# KiCad board AmigaPCI Mainboard.kicad_pcb (continued)
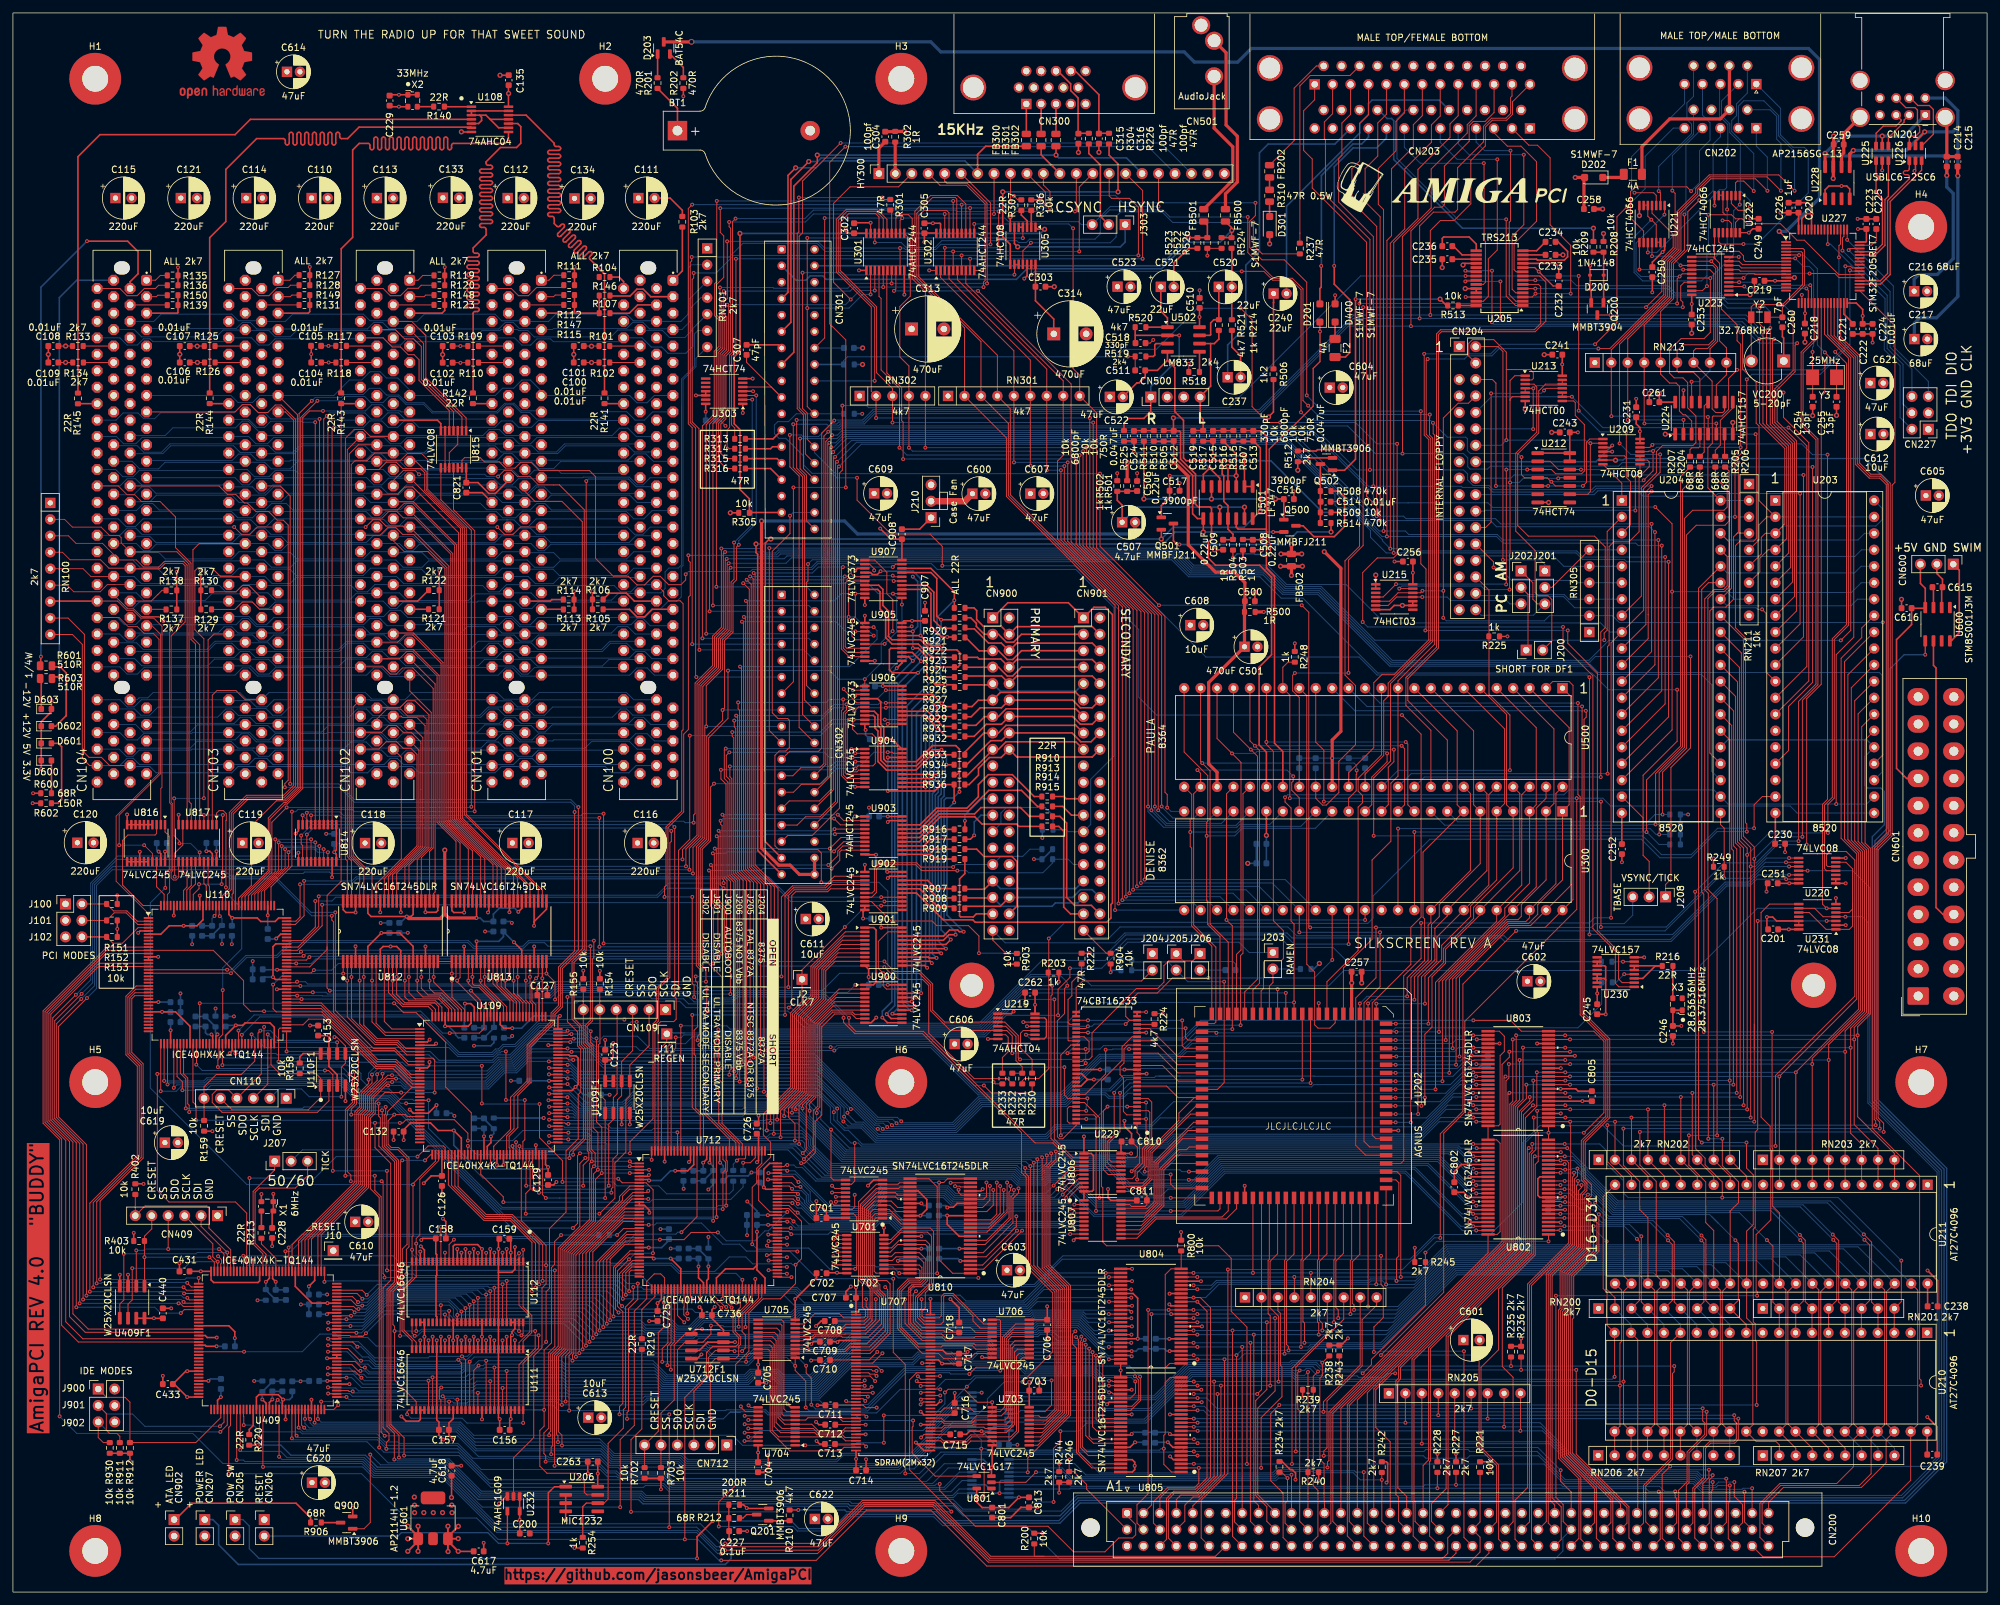
[diagram p0: board, top side]
## Routing (per net, layer and track width the routed paths; a pad name or vN(x,y) marks a point on that pad's centre or on a via; arc(x,y) is an arc through that point) (continued)
_MC1: length 224.8
  Top w0.15: R231.1 155.83,78.93 156.19,79.29 158.39,79.29 159.93,80.83 v1(159.93,100.92) ; v1(269.07,178.8) 269.18,178.69 269.18,162.69 268.77,162.28 266.66,162.28 265.95,161.57 265.95,148.91 267.5,147.36 267.5,118.81 267.7,118.6 v1(267.7,117.42)
  Top w0.25: U224.1 v2(255.12,178.8)
  Bottom w0.15: v2(255.12,178.8) v1(269.07,178.8) ; v1(159.93,100.92) 162.43,103.42 184.33,103.42 184.5,103.25 209.19,103.25 210.01,104.08 210.01,107.49 218.76,116.24 251.42,116.24 254.28,113.39 259.07,113.39 263.11,117.42 v1(267.7,117.42)
_MTR: length 91.3
  Top w0.15: v1(242.1,173.32) 242.09,173.33 U212.12 238.62,173.33 237.35,174.6 U212.2 ; v1(277.86,173.74) 277.86,140.46 274.14,136.74 274.14,129.94 U203.17
  Bottom w0.15: v1(242.1,173.32) 248,173.32 248.41,173.74 v1(277.86,173.74)
_PACK: length 314.2
  Top w0.15: 268.05,163.52 266.25,163.52 266.11,163.38 ; v1(214.55,175.8) 214.53,188.52 214.53,209.29 218.97,213.73 218.97,219.74 224.54,225.3 224.54,226.59 225.91,227.96 CN203.10 ; v1(119.95,178.68) 119.95,173.75 121.39,172.32 121.39,133.51 CN302.20 ; U204.24 262,129.57 262,151.51 262.58,152.09 264.45,152.09 265.65,153.29 265.65,162.92 266.11,163.38 ; 266.11,163.38 266.4,163.67 v1(266.4,174.41)
  Bottom w0.15: v1(119.95,178.68) 121.71,178.68 121.97,178.42 124.39,178.42 125.74,179.77 127.56,179.77 127.86,180.07 206.08,180.07 210.35,175.8 v1(214.55,175.8) 223.96,175.8 224.62,175.14 224.62,173.77 224.98,173.41 227.67,173.41 228.11,173.85 232.78,173.85 232.79,173.86 247.91,173.86 248.46,174.41 v1(266.4,174.41)
_PCICYCLE: length 129.5
  Top w0.15: v1(62.05,39.56) 61.62,39.98 U112.29 ; v1(78.78,26.12) 78.77,26.13 U111.56 78.77,35.33 81.15,37.71 v1(81.15,39.64) ; v1(60.86,27.45) 60.86,27.86 61.1,28.1 U111.29 ; U112.56 78.77,39.91 v1(78.5,39.64) ; U110.78 47.77,89.09 56.02,80.84 58.68,80.84 61.58,77.94 U109.19 61.59,77.94 57.84,74.19 57.84,73.74 57.62,73.52 57.62,69.01 58.3,68.33 59.42,68.33 60.85,66.91 60.85,53.69 60.12,52.96 60.12,47.4 59.78,47.05 59.78,39.56 v1(59.77,39.56)
  Bottom w0.15: v1(81.15,39.64) v1(78.5,39.64) 77.9,39.64 77.26,40.28 63.18,40.28 62.46,39.56 v1(62.05,39.56) 62.04,39.56 v1(59.77,39.56) ; v1(78.78,26.12) 78.75,26.09 70.1,26.09 69.36,26.84 61.47,26.84 v1(60.86,27.45)
_PCIINT: length 100.4
  Top w0.15: U815.8 66.07,168.67 70.77,163.97 v1(70.77,121.26) ; U110.117 36.34,107.52 39.97,111.16 39.97,118.87 v1(42.26,121.16)
  Bottom w0.15: v1(70.77,121.26) 70.66,121.16 v1(42.26,121.16)
_PLOCK: length 189.9
  Top w0.13: 15.54,154 17.73,151.82 18.64,151.82 19.84,150.62 22.55,150.62 v1(23.22,149.95) ; v1(25.92,149.95) 24.19,148.23 24.19,121.87 24.43,121.64 24.43,111.48 24.19,111.24 24.19,108.06 23.84,107.71 U110.142
  Bottom w0.13: 56.11,154.22 53,154.22 51.96,153.18 40.48,153.18 39.37,154.29 CN103.B39 ; 103.22,164.09 103.22,158.61 102.73,158.12 101.27,158.12 100.69,157.54 100.69,154.95 100.03,154.29 CN100.B39 ; v1(25.92,149.95) 25.91,149.95 v1(23.22,149.95) ; 76.5,154.28 80,154.28 81.12,153.17 92.43,153.17 93.47,154.21 96.74,154.21 ; 35.71,154.14 30.7,154.14 29.68,153.12 20.22,153.12 19.05,154.29 CN104.B39 ; 56.18,154.28 59.68,154.28 60.86,153.11 70.31,153.11 71.33,154.13 76.34,154.13 ; 103.22,183.2 103.22,187.31 105.22,189.31 105.22,194.27 105.74,194.79 RN101.6
  Bottom w0.15: 103.22,164.09 103.22,183.2
_RAMEN: length 120.1
  Top w0.15: v1(163.2,96.33) 163.2,94.9 161.37,93.07 v1(161.37,89.06) ; v1(101.53,84.68) 101.12,84.27 U712.139
  Bottom w0.15: J203.1 190.89,98.75 189.3,100.34 172.12,100.34 168.11,96.33 v1(163.2,96.33) ; v1(161.37,89.06) 153.38,89.06 150.05,85.73 104.88,85.73 103.82,84.68 v1(101.53,84.68)
_RAMSPACE: length 80.1
  Top w0.15: v1(103.22,55.56) 105.62,57.96 U712.130 ; 42.59,53.38 U409.48
  Bottom w0.15: v1(42.56,53.2) 44.6,55.24 75.9,55.24 76.24,54.9 80.66,54.9 81.61,53.95 94.79,53.95 96.11,55.27 102.35,55.27 102.64,55.56 v1(103.22,55.56)
_RAS0: length 21.4
  Top w0.15: U202.57 188.91,59.18 187.34,57.61 176.51,57.61 173.54,54.63 U807.11
_RAS1: length 20
  Top w0.15: U202.56 187.64,58.87 186.68,57.91 176.39,57.91 173.76,55.28 171.08,55.28
_REGEN: length 122.5
  Top w0.15: U202.23 v1(196.53,92.52) ; J11.1 100.95,84.95 100.12,84.12 U712.141
  Bottom w0.15: 103.64,86.33 149.8,86.33 155.98,92.51 196.52,92.51 v1(196.53,92.52) ; 103.64,86.33 100.76,86.33 ; 103.64,86.33 101.09,86.33
_REGSPACE: length 110.4
  Top w0.15: U712.41 100.62,48.52 100.01,49.13 99.02,49.13 97.86,47.97 97.86,45.3 95.94,43.38 95.94,25.73 94.94,24.74 94.94,24.73 93.76,23.54 93.76,13.11 v1(93.76,13.11) ; U409.118 v1(35.09,21.95)
  Bottom w0.15: v1(35.09,21.95) 35.31,21.73 41.34,21.73 42.31,20.75 54.26,20.75 56.11,18.9 66.67,18.9 72.46,13.12 93.75,13.12 v1(93.76,13.11)
_REQ0: length 108.9
  Top w0.15: v1(49.61,179.86) 49.28,179.52 U814.2
  Bottom w0.13: v1(49.61,179.86) 54.1,179.86 55.08,180.84 56.96,180.84 57.94,179.86 59.41,179.86 60.35,180.8 61.72,180.8 62.66,179.86 74.42,179.86 75.4,180.84 77.09,180.84 78.07,179.86 80.07,179.86 81.11,180.9 94.22,180.9
_REQ1: length 90
  Top w0.15: v1(48.47,181.62) 47.97,181.12 U814.4
  Bottom w0.13: v1(48.47,181.62) 48.92,182.07 54.36,182.07 55.3,181.13 56.93,181.13 57.88,182.08 59.57,182.08 60.52,181.13 73.8,181.13
_REQ2: length 67.2
  Top w0.15: U814.3 48.62,180.55 v1(49.04,180.96)
  Bottom w0.13: CN102.B18 v1(49.04,180.96)
_REQ3: length 76.3
  Top w0.15: U814.6 46.68,180.63 v1(46.67,180.64)
  Bottom w0.13: v1(46.67,180.64) 44.68,180.64 44.52,180.8 39.8,180.8 38.86,179.86 37.61,179.86 36.39,181.08 33.44,181.08
_REQ4: length 99.6
  Top w0.15: U814.5 47.32,181.13 v1(47.34,181.15)
  Bottom w0.13: v1(47.34,181.15) 39.78,181.15 38.86,182.07 37.92,182.07 36.65,183.34 35.41,183.34 34.17,182.1 22.79,182.1 21.87,181.18 20.19,181.18 19.3,182.07 17.01,182.07 15.91,180.96 CN104.B18
_RESETA: length 422.7
  Top w0.15: CN200.b28 239.35,10.89 239.35,13.5 238.23,14.62 v1(238.23,45.76) ; v1(108.98,10.13) 108.98,13.92 111.57,16.51 111.57,35.14 113.63,37.2 113.63,43.08 115.83,45.28 118.49,45.28 120.83,47.62 v1(120.83,50.54) 121.75,51.46 121.75,57.25 119.78,59.22 118.06,59.22 ; v1(269.3,45.76) 269.3,46.35 269.14,46.51 269.14,55.2 271.4,57.46 271.4,68.34 271.31,68.44 271.31,71.94 269.91,73.34 269.91,104.93 271.21,106.23 U231.8 ; U409.62 35.59,51.89 v1(35.56,51.92)
  Bottom w0.15: v1(120.83,50.54) 120.38,50.54 120.16,50.76 117.81,50.76 117.73,50.68 114.22,50.68 113.14,51.75 110.6,51.75 108.36,49.51 102.95,49.51 101.69,50.77 92.31,50.77 92.09,50.99 79.3,50.99 79.2,50.89 59.73,50.89 58.7,51.92 v1(35.56,51.92) ; CN200.b28 239.31,8.37 239.31,6.33 238.09,5.11 238.09,5.1 161.59,5.1 156.44,10.25 143.55,10.25 142.17,11.63 128.84,11.63 126.64,9.43 121.12,9.43 120.42,10.13 v1(108.98,10.13) ; v1(238.23,45.76) v1(269.3,45.76)
_RESETB: length 429
  Top w0.15: U231.6 v1(280.04,105.58) 279.4,106.22 279.4,121.63 280.17,122.4 v1(280.17,175.63) ; U902.5 126.24,108.59 125.79,108.14 120.85,108.14 120.25,107.54 120.25,90.7 v1(119.79,90.24) ; v1(253.13,177.14) 252.74,176.75 U209.12 ; U110.49 v1(28.84,90.92) ; v1(58.85,90.92) 60.31,89.46 62.26,89.46 66.81,84.91 66.81,77.98 70.76,74.02 70.76,67.56
  Bottom w0.15: v1(253.13,177.14) 253.29,177.29 276.18,177.29 277.84,175.63 v1(280.17,175.63) ; v1(280.04,105.58) 269.34,105.58 259.74,95.98 205.51,95.98 203.15,93.62 166.51,93.62 164.77,95.37 157.14,95.37 149.31,87.53 122.84,87.53 120.13,90.24 v1(119.79,90.24) 103.93,90.24 102.95,91.23 87.31,91.23 87.05,90.97 77.52,90.97 77.05,91.44 66.65,91.44 66.13,90.92 v1(58.85,90.92) v1(28.84,90.92)
_ROMEN: length 263.9
  Top w0.15: v1(247.29,33.24) U210.20 246.13,41.19 246.13,46.27 245.54,46.86 245.54,61.06 U211.20 ; v1(38.05,23.86) 38.05,26.6 38.09,26.64 U409.124 ; v1(160.67,13.91) 160.67,13.91 160.67,22.19 161.72,23.24 v1(161.72,24.84)
  Bottom w0.15: v1(160.67,13.91) 157.56,13.91 156.46,12.81 146.64,12.81 145.14,14.3 97.53,14.3 96.87,14.96 72.09,14.96 67.1,19.95 57.92,19.95 54.66,23.21 38.7,23.21 v1(38.05,23.86) ; v1(161.72,24.84) 164.53,24.84 165.79,26.1 174.93,26.1 182.14,33.31 197.45,33.31 197.91,32.85 246.9,32.85 v1(247.29,33.24)
_RSTBTN: length 200.8
  Top w0.15: U110.65 v1(36.84,86.11) ; U232.2 77.29,20.73 80.41,23.84 80.41,36.44 81.68,37.72 81.68,46.95 82.31,47.58 v1(82.31,50.46) 82.31,53.53 78.49,57.35 78.49,65.47 78.73,65.72 U109.65 78.73,69.55 79.03,69.85 v1(79.03,75.97) ; v1(76.12,75.99) 76.12,83.47 v1(76.11,83.48) ; v1(112.62,48.22) 112.62,48.22 U712.65 ; U409.65 34.09,50.71 34.19,50.81 v1(34.19,51.22)
  Bottom w0.15: v1(76.12,75.99) 76.13,75.97 v1(79.03,75.97) ; v1(34.19,51.22) 35.43,51.22 36.17,50.48 73.12,50.48 73.13,50.46 v1(82.31,50.46) 101.57,50.46 102.83,49.21 111.63,49.21 v1(112.62,48.22) ; v1(36.84,86.11) 38.86,84.09 67.28,84.09 68.66,82.71 74.2,82.71 74.74,83.25 75.21,83.25 75.43,83.48 v1(76.11,83.48)
_RSTOUT: length 153.7
  Top w0.15: CN200.c34 254.64,8.3 254.64,18.17 v1(255.87,19.4) ; U231.9 278.19,105.58 279.49,104.28 U231.4 v1(282.93,104.28)
  Bottom w0.15: v1(282.93,104.28) 285.54,104.28 286.4,103.41 286.4,75.52 297.09,64.83 297.09,20.85 295.65,19.4 v1(255.87,19.4)
_RSTPCI: length 178.7
  Top w0.13: 34.01,110.24 34.01,107.92
  Top w0.15: 34.01,110.71 34.01,110.24 ; 34.01,110.71 34.01,107.92 33.84,107.75 U110.122 ; 34.01,110.71 34.01,120.15 36.29,122.43 42.03,122.43 43.93,124.32 43.93,181.79 CN103.A15
  Bottom w0.13: CN104.A15 33.66,184.77 34.76,183.67 36.97,183.67 38.07,184.77 CN103.A15 ; 61.26,184.76 74.46,184.76 75.59,185.89 ; CN102.A15 61.26,185.61 59.41,187.47 57.66,187.47 56.7,188.43 55.12,188.43 53.85,187.16 51.94,187.16 49.56,184.77 40.93,184.77
  Bottom w0.15: 81.57,184.76 95.23,184.76 96.35,183.65 97.9,183.65 99.02,184.76 101.89,184.76 ; 75.59,185.89 77.31,185.89 78.58,187.16 79.88,187.16 81.58,185.46
_RTCEN: length 465.2
  Top w0.15: v1(103.38,113.14) 103.38,114.63 105.62,116.88 105.62,140.23 108.32,142.93 108.32,147.5 109.68,148.86 109.68,160.34 v1(109.95,160.61) ; U409.80 26.3,44.11 25.83,44.58 v1(25.57,44.58) ; v1(282.22,146.96) 283.75,148.49 283.75,190.61 280.2,194.16 U227.26 ; v1(10.3,44.58) 10.31,44.58 10.31,69.28 6.45,73.13 6.45,88.22 v1(10.6,92.37)
  Bottom w0.15: v1(103.38,113.14) 16.09,113.14 12.3,109.35 12.3,94.07 v1(10.6,92.37) ; v1(282.22,146.96) 246.41,146.96 243.32,143.87 212.97,143.87 201.86,154.98 196.41,154.98 193.42,157.97 182.03,157.97 179.4,160.6 118.31,160.6 117.86,160.16 115.92,160.16 115.47,160.61 109.95,160.61 v1(109.95,160.61) ; v1(10.3,44.58) v1(25.57,44.58)
_RxD: length 101.7
  Top w0.15: U205.8 235.73,203.22 236.67,202.28 236.67,196.26 235.03,194.62 220.56,194.62 220.1,194.16 220.1,145.78 215.37,141.05 215.37,141.05 215.37,137.66 221.47,131.55 U500.41
_SEL0: length 98.3
  Top w0.15: v1(240.7,184.57) U213.9 U213.10 ; v1(274.14,179.81) 276.98,176.97 276.98,142.93 U203.13
  Bottom w0.15: CN204.10 228.26,184.57 v1(240.7,184.57) 245.47,179.81 274.14,179.81 v1(274.14,179.81)
_SEL1: length 109.8
  Top w0.15: U203.14 277.27,140.69 277.27,177.49 273.37,181.39 v1(273.37,185.22) ; v1(234.73,179.57) 234.73,185.85 v1(234.75,185.88) U213.4 U213.5
  Bottom w0.15: v1(273.37,185.22) 272.3,186.3 235.18,186.3 v1(234.75,185.88) ; v1(234.73,179.57) 234.68,179.62 CN204.12
_SIDE: length 56.7
  Top w0.15: U203.12 270.68,142.07 270.68,151.13 v1(270.07,151.74)
  Bottom w0.15: v1(270.07,151.74) 269.39,151.74 269.14,151.99 241.13,151.99 239.41,153.71 233.85,153.71 233.69,153.88 226.19,153.88
_STEP: length 76.4
  Top w0.15: U203.10 275.93,149.5 v1(275.93,169.63)
  Bottom w0.15: v1(275.93,169.63) 275.92,169.63 263.28,169.63 262.86,169.21 251.71,169.21 250.88,170.05 244.71,170.05 244.12,169.46 CN204.20
_STOP: length 294.2
  Top w0.11: CN104.A38 15.71,155.56
  Top w0.13: RN100.6 8.37,155.48 9.39,154.46 13.46,154.46 14.57,155.56 15.71,155.56
  Top w0.15: v1(156.69,18.49) 156.69,20.71 163.28,27.3 163.28,47.33 160.11,50.51 160.11,65.49 161.55,66.93 161.55,68.35 160.54,69.35 157.82,69.35 140.59,86.58 130.14,86.58 129.08,87.64 v1(129.08,88.66) ; v1(105.17,91.88) 105.17,93.7 104.88,93.99 104.88,107.33 v1(104.89,107.34) ; v1(100.6,107.34) 100.6,108.88 100.83,109.1 100.83,118.15 103.26,120.58 103.26,132.94 103.47,133.15 103.47,152.61 103.01,153.07 101.26,153.07 100.48,153.85 100.48,154.45 CN100.A38
  Bottom w0.13: 99.35,155.55 96.5,155.55 95.39,154.44 93.81,154.44 92.84,155.41 79.17,155.41 ; 58.71,155.56 55.87,155.56 54.75,154.45 53.17,154.45 52.2,155.42 38.54,155.42 ; 58.86,155.41 72.53,155.41 73.5,154.44 75.08,154.44 76.19,155.55 79.04,155.55 ; 18.23,155.42 31.89,155.42 32.86,154.45 34.44,154.45 35.56,155.56 CN103.A38
  Bottom w0.15: v1(129.08,88.66) 125.47,92.26 111.87,92.26 111.03,91.43 105.62,91.43 v1(105.17,91.88) ; v1(104.89,107.34) v1(100.6,107.34) ; U809.14 156.67,18.51 v1(156.69,18.49)
_TACK: length 352.2
  Top w0.15: v1(93.46,63.81) 94.07,63.2 U712.7 97.76,63.2 98.84,62.12 98.84,52.35 v1(98.81,52.32) ; v1(41,81.89) 41,86.86 41.23,87.09 U110.74 ; CN200.b21 221.53,8.37 221.53,5.98 220.77,5.22 150.85,5.22 142.24,13.83 131.26,13.83 124.42,6.99 v1(109.36,6.99) ; v1(93.65,27.44) 93.65,28.64 94.16,29.15 94.16,43.3 93.34,44.12 93.34,49.6 v1(95.12,51.37) ; U109.23 v1(64.17,75.94) ; v1(101.33,27.45) v1(101.33,10.01) ; 34.55,28.16 v1(34.55,20.38)
  Bottom w0.15: v1(98.81,52.32) 96.07,52.32 v1(95.12,51.37) ; v1(93.65,27.44) 93.66,27.44 101.32,27.44 v1(101.33,27.45) ; v1(93.46,63.81) 93.38,63.89 72.59,63.89 69.18,67.31 68.47,67.31 64.17,71.61 v1(64.17,75.94) 61.83,75.94 61.69,76.08 59.7,76.08 58.07,77.71 55.2,77.71 53.73,79.18 53.73,80.08 51.92,81.89 v1(41,81.89) ; v1(109.36,6.99) 108.6,6.99 105.58,10.01 v1(101.33,10.01) 74.71,10.01 66.42,18.3 55.86,18.3 54.01,20.15 35.82,20.15 35.6,20.38 v1(34.55,20.38)
_TCI: length 263.9
  Top w0.15: U409.115 33.59,25.7 33.32,25.44 v1(33.32,18.28) ; CN200.c23 227.89,6.01 225.9,4.02 150.35,4.02 141.74,12.63 131.76,12.63 124.02,4.89 v1(109.36,4.89) ; v1(103.74,8.13) 103.74,30.05 107.07,33.38 107.07,36.96 108.02,37.91 111.6,37.91 112.06,38.36 112.06,39.29 111.18,40.17 111.18,42.82 112.31,43.95 112.31,45.14 112.12,45.33 U712.64
  Bottom w0.15: v1(33.32,18.28) 53.82,18.28 60.67,11.43 71.6,11.43 74.89,8.13 v1(103.74,8.13) 105.76,8.13 109,4.89 v1(109.36,4.89)
_TEA: length 316.2
  Top w0.15: v1(7.21,27.13) 7.21,69.83 4.65,72.39 4.65,89.74 14.5,99.59 U110.10 ; CN200.c21 222.81,6.01 221.72,4.92 150.72,4.92 142.11,13.53 131.39,13.53 124.32,6.46 v1(109.95,6.46)
  Bottom w0.15: v1(7.21,27.13) 9.84,24.5 27.76,24.5 32.41,19.85 53.89,19.85 55.74,18 66.3,18 74.81,9.49 105.68,9.49 108.7,6.46 v1(109.95,6.46)
_TS: length 68.4
  Top w0.15: R242.2 v1(211.35,17.33) 211.35,10.95 CN200.b17
  Bottom w0.15: U809.13 162.01,19.16 163.38,17.79 194.75,17.79 195.6,18.65 200.63,18.65 200.86,18.42 206.94,18.42 208.03,17.33 v1(211.35,17.33)
_TxD: length 98.8
  Top w0.15: U500.40 218.93,133.06 215.06,136.93 215.06,141.17 215.24,141.35 215.25,141.35 219.8,145.9 219.8,194.28 220.44,194.92 234.91,194.92 235.88,195.89 235.88,201.59 235.55,201.92 U205.6
_UDS: length 117.4
  Top w0.15: U712.118 111.62,69.38 106.93,74.07 106.93,89.32 v1(107.32,89.72) ; U229.52 163.1,74.96 162.8,74.66 162.8,72.71 163.09,72.42 U229.56 164.16,72.07 162.09,70 161.57,70 161.26,70.31 161.26,88.21 162.37,89.32 162.37,93.2 v1(162.79,93.62)
  Bottom w0.15: v1(162.79,93.62) 162.79,94.14 161.92,95.01 157.21,95.01 149.43,87.23 122.12,87.23 119.64,89.71 107.33,89.71 v1(107.32,89.72)
_UMBE: length 109.8
  Top w0.15: v1(23.34,78.92) U110.38 ; v1(110.14,59.68) 110.12,59.7 110.12,64.84 110.28,65 110.28,66.56 110.12,66.72 U712.121
  Bottom w0.15: v1(23.34,78.92) 29.46,78.92 29.95,79.41 50.91,79.41 53.62,76.71 58.23,76.71 75.54,59.39 108.62,59.39 108.9,59.68 v1(110.14,59.68)
_UUBE: length 112.9
  Top w0.15: v1(108.11,57.32) 108.12,57.33 U712.125 ; v1(22.81,77.34) 22.81,84.65
  Bottom w0.15: v1(108.11,57.32) 107.79,57.64 95.95,57.64 95.63,57.32 76.34,57.32 57.7,75.96 53.31,75.96 50.75,78.51 30.32,78.51 29.83,78.02 25.9,78.02 25.21,77.33 22.82,77.33 v1(22.81,77.34)
_VBEN: length 128.8
  Top w0.15: U701.19 129.77,58.43 130.27,57.93 130.27,50.12 v1(130.05,49.9) 130.04,49.89 U702.19 ; U704.19 112.96,23.31 v1(112.95,23.32) ; v1(101.57,34.34) 101.57,38.08 102.12,38.62 U712.44 ; v1(160.36,32.68) 160.36,28.88 159.35,27.87 U703.19
  In2.Cu w0.15: v1(147.28,31.71) 147.28,32.26 143.4,36.15 140,36.15 132.42,43.72 132.42,47.12 130.05,49.5 v1(130.05,49.9) ; v1(101.57,34.34) 102.08,34.34 112.95,23.46 v1(112.95,23.32)
  Bottom w0.15: v1(112.95,23.32) 113.66,23.32 115.28,24.95 140.52,24.95 v1(147.28,31.71) 148.66,33.09 158.88,33.09 159.29,32.68 v1(160.36,32.68)
_VC1: length 125.9
  Top w0.15: v1(119.98,166.21) 119.98,163.45 117.24,160.71 117.24,135.77 118.13,134.88 119.62,134.88 119.87,134.63 119.87,130.4 119.34,129.87 118.31,129.87 117.65,129.21 117.65,115.23 118.24,114.64 124.29,114.64 124.81,114.12 v1(124.81,109.6) ; v1(135.08,94.92) 136.42,94.92 136.74,94.6 140.44,94.6 141.4,93.65 141.4,86.3 148.43,79.27 153.51,79.27 154.11,78.67
  Bottom w0.15: v1(124.81,109.6) 133.7,109.6 135.08,108.22 v1(135.08,94.92) ; v1(119.98,166.21) 120.47,166.7 CN301.34
_VC3: length 166.1
  Top w0.15: v1(151.4,78.75) 151.68,78.47 R233.1 ; v1(111.34,162.06) 111.33,162.05 111.33,156.4 110.88,155.95 110.88,148.36 109.57,147.05 109.57,142.49 107.04,139.96 v1(107.04,133.67) 106.82,133.44 106.82,116.38 105.51,115.07 105.51,96.72 106,96.23 106,86.14 105.71,85.84 105.71,85.21 v1(105.7,85.21) ; v1(114.14,184.14) 112.69,184.14
  Bottom w0.15: v1(107.04,133.67) 107.05,133.67 CN302.17 ; v1(111.34,162.06) 114.14,164.86 v1(114.14,184.14) ; v1(151.4,78.75) 148.4,78.75 142.17,84.98 109.49,84.98 109.04,84.53 107.9,84.53 107.22,85.2 105.71,85.2 v1(105.7,85.21)
_VSYNC: length 299.2
  Top w0.15: U305.10 U305.9 v1(154.63,203.43) ; v1(121.92,203.73) 121.92,182.77 122.65,182.03 122.65,177.97 CN301.26 ; v1(210.45,102.63) 210.45,94.86 207.32,91.73 207.32,68.99 208.85,67.46 U202.79 ; v1(167.84,172.7) 167.84,161.48 v1(176.95,152.38) ; v1(198.99,152.38) 200.07,151.29 200.07,102.84 v1(200.29,102.63)
  Bottom w0.15: v1(176.95,152.38) v1(198.99,152.38) ; J208.3 250.09,104.52 248.79,103.21 244.28,103.21 243.69,102.63 v1(210.45,102.63) v1(200.29,102.63) ; v1(154.63,203.43) 154.59,203.39 128.46,203.39 128.12,203.73 v1(121.92,203.73) ; CN301.26 123.77,175.93 127,172.7 v1(167.84,172.7)
_WEA: length 228.1
  Top w0.15: v1(134.46,27.27) 134.46,23.06 v1(134.47,23.05) ; U701.1 133.21,57.77 132.97,57.53 132.97,49.54 133.26,49.25 U702.1 135.95,49.25 v1(135.96,49.24) ; v1(143.89,30.82) 144.38,31.31 146.87,31.31 148.88,29.31 v1(151.19,29.31) 151.19,29.31 U703.1 ; U704.1 122.32,22.66 v1(122.33,22.66) ; v1(88.38,67.04) 87.53,66.18 87.53,56.47 84.19,53.13 84.19,37.96 83.03,36.8 83.03,24.83 82.79,24.6 v1(82.79,24.21) ; U712.144 98.62,66.74 v1(98.62,66.74) ; U409.142 v1(47.09,26.73)
  In3.Cu w0.15: v1(143.89,30.82) 143.89,34.38 149.06,39.55 v1(149.06,48.51)
  Bottom w0.15: v1(135.96,49.24) 136.69,48.51 v1(149.06,48.51) ; 151.17,27.6 151.77,28.2 U808.15 ; 151.17,27.6 151.19,27.62 v1(151.19,29.31) ; 151.17,27.6 150.47,26.9 U808.4 ; v1(88.38,67.04) 98.32,67.04 v1(98.62,66.74) ; v1(134.47,23.05) 130.31,23.05 129.92,22.66 v1(122.33,22.66) 112.64,22.66 111.09,24.21 82.79,24.21 v1(82.79,24.21) 71.14,24.21 69.12,26.24 47.59,26.24 v1(47.09,26.73) ; v1(134.46,27.27) 142.1,27.27 143.89,29.06 v1(143.89,30.82)
_WEB: length 222
  Top w0.15: U109.18 61.68,78.44 58.98,81.14 56.14,81.14 47.69,89.59 U110.79 40.64,89.59 40.16,90.07 v1(40.16,93.8) ; v1(83.7,91.49) 83.7,94.18 v1(82.37,95.51) 82.37,95.51 U813.24 ; v1(67.76,95.5) 67.77,95.51 U813.1 65.6,97.37 ; v1(50.99,95.5) U812.1 ; v1(155.89,32.46) 160.53,37.1 160.53,46.2 156.44,50.29 156.44,64.07 155.71,64.79 155.71,70.96 140.45,86.23 130,86.23 128.24,87.99 v1(128.24,88.67)
  Bottom w0.15: v1(82.37,95.51) 67.77,95.51 v1(67.76,95.5) 67.75,95.5 51,95.5 v1(50.99,95.5) 41.86,95.5 v1(40.16,93.8) ; U808.5 149.09,27.55 150.45,28.91 150.45,29.84 153.07,32.46 155.88,32.46 v1(155.89,32.46) ; v1(83.7,91.49) 84.81,92.6 98.54,92.6 99.09,92.05 104.24,92.05 105.16,91.13 111.16,91.13 111.94,91.91 125.33,91.91 128.24,89.01 v1(128.24,88.67)
_XCLKEN: length 234.4
  Top w0.15: v1(195.68,180.6) 193.77,180.6 191.32,183.05 191.32,196.48 v1(189.56,198.24) ; v1(239.33,149.02) 239.33,146.09 243.94,141.48 243.94,102.46 247.4,98.99 247.4,94.01 247.96,93.45 U230.1 ; v1(213.71,177.31) 213.71,160.24 213.16,159.69 210.66,159.69 208.4,157.43 v1(208.4,149.79)
  Bottom w0.15: v1(239.33,149.02) 209.17,149.02 v1(208.4,149.79) ; v1(189.56,198.24) 182.88,198.24 176.54,191.89 171.54,191.89 170.39,190.74 128.85,190.74 128.25,190.14 R308.1 ; v1(213.71,177.31) 210.57,177.31 207.28,180.6 v1(195.68,180.6)
  Bottom w0.25: 128.26,189.56 123.78,189.56
A0: length 55.5
  Top w0.15: v1(192.72,19.17) 192.72,26.94 195.94,30.15 195.94,34.8 195.69,35.04 195.69,43.05 195.31,43.44 RN204.3 ; CN200.b3 176.09,10.65 176.09,13.94 178.32,16.17 182.48,16.17 183.1,16.79 v1(183.1,19.17) U805.2
  Bottom w0.15: v1(192.72,19.17) v1(183.1,19.17)
A1: length 64.8
  Top w0.15: 192.77,60.82 RN204.2 192.77,31.24 v1(192.11,30.58) ; CN200.a4 179.63,14.28 180.32,14.97 182.98,14.97 185.99,17.98 v1(185.99,30.58) ; v1(182.32,30.59) 182.31,30.6 U805.20
  Bottom w0.15: v1(192.11,30.58) v1(185.99,30.58) 185.98,30.59 v1(182.32,30.59)
A2: length 371.9
  Top w0.15: U210.21 248.12,25.62 248.12,25.63 v1(248.12,31.9) 248.12,38.46 248.38,38.72 248.38,46.62 U211.21 ; U202.61 193.99,51.38 193.8,51.19 193.8,42.99 194.12,42.66 194.12,31.88 v1(194.13,31.88) ; v1(182.89,31.88) 182.88,31.87 U805.22 ; U227.28 281.2,194.01 284.52,190.69 284.52,174.1 286.61,172.01 288.22,172.01 289.24,170.99 289.24,117.14 287.08,114.98 287.08,71.62 294.38,64.31 294.38,32.94 294.61,32.71 v1(294.61,31.89) ; v1(186.51,31.88) 186.51,18.08 183.1,14.67 182.2,14.67 180.94,13.41 180.94,10.96 CN200.b4 ; RN206.2 247.3,24.78
  Bottom w0.15: v1(294.61,31.89) 294.6,31.9 v1(248.12,31.9) 248.1,31.88 v1(194.13,31.88) v1(186.51,31.88) v1(182.89,31.88)
A3: length 355.7
  Top w0.15: v1(182.32,32.5) 182.31,32.5 U805.23 ; v1(246.18,72.1) 246.18,66.48 248.69,63.97 248.69,48.85 U211.22 248.68,46.41 v1(248.68,32.5) 248.68,25.94 U210.22 ; U202.62 195.26,52.23 194.1,51.06 194.1,43.9 195.39,42.6 195.39,32.51 v1(195.41,32.5) ; RN206.3 249.84,24.78 ; v1(287.61,72.09) 287.61,72.77 287.38,73 287.38,114.86 289.55,117.03 289.55,171.1 288.34,172.31 286.73,172.31 284.82,174.22 284.82,190.82 281.7,193.94 U227.29 ; v1(185.46,32.5) 185.46,17.88 182.85,15.27 179.35,15.27 178.4,14.32 178.4,8.34 CN200.c4
  Bottom w0.15: v1(287.61,72.09) 246.19,72.09 v1(246.18,72.1) ; v1(248.68,32.5) v1(195.41,32.5) v1(185.46,32.5) v1(182.32,32.5)
A4: length 353.2
  Top w0.15: U227.30 282.2,193.86 285.12,190.94 285.12,174.35 286.86,172.61 288.47,172.61 289.85,171.23 289.85,116.9 287.68,114.73 287.68,73.12 288.23,72.57 v1(288.23,71.57) ; v1(187.06,35.94) 187.06,18.2 182.17,13.31 CN200.a5 ; 252.37,21.11 U210.23 253.45,25.88 253.45,46.62 U211.23 252.44,57.79 251.17,59.06 251.17,63.39 248.65,65.91 v1(248.65,71.57) ; U202.63 196.53,51.38 196.34,51.19 v1(196.34,36.8) ; v1(182.88,35.94) U804.2
  Bottom w0.15: v1(248.65,71.57) v1(288.23,71.57) ; U211.23 251.08,49 222.98,49 211.57,37.59 200.56,37.59 199.77,36.8 v1(196.34,36.8) 190.14,36.8 189.28,35.94 v1(187.06,35.94) v1(182.88,35.94)
A5: length 355.9
  Top w0.15: RN206.5 254.92,24.78 ; v1(288.83,71.05) 288.83,72.4 287.98,73.25 287.98,114.61 290.15,116.78 290.15,170.93 290.58,171.36 290.58,195.52 U227.33 ; v1(196.95,37.32) 196.95,37.92 196.64,38.23 196.64,51.05 197.8,52.21 U202.64 ; U804.3 182.31,36.57 v1(182.31,36.58) ; v1(188.92,36.58) 188.92,14.46 188.6,14.14 188.6,10.84 CN200.b8 ; v1(251.2,71.05) 251.2,65.94 253.72,63.42 253.72,48.9 U211.24 253.84,46.5 253.84,25.86 U210.24
  Bottom w0.15: v1(288.83,71.05) 288.82,71.05 v1(251.2,71.05) ; U211.24 253.32,49.3 222.85,49.3 211.45,37.89 200.43,37.89 199.87,37.32 v1(196.95,37.32) 189.67,37.32 v1(188.92,36.58) v1(182.31,36.58)
A6: length 159
  Top w0.15: U202.65 199.07,51.44 198.88,51.25 198.88,37.85 v1(198.87,37.85) ; 180.36,37.84 182.88,37.84 v1(182.88,37.85) ; U211.25 258.54,46.62 258.54,25.88 U210.25 257.45,21.11 ; CN200.a8 v1(189.79,37.85)
  Bottom w0.15: U211.25 255.54,49.62 222.76,49.62 211.33,38.19 200.31,38.19 199.97,37.85 v1(198.87,37.85) v1(189.79,37.85) v1(182.88,37.85)
A7: length 165.2
  Top w0.15: v1(199.41,38.49) 199.41,41.53 199.18,41.77 199.18,51.12 200.34,52.29 U202.66 ; v1(182.29,38.49) 182.28,38.48 U804.6 ; CN200.b9 191.06,10.92 v1(191.06,38.49) ; U210.26 258.83,25.94 258.83,46.41 U211.26
  Bottom w0.15: RN206.7 260,24.78 ; U211.26 257.77,49.93 222.64,49.93 211.2,38.49 v1(199.41,38.49) v1(191.06,38.49) v1(182.29,38.49)
A8: length 313.9
  Top w0.15: v1(258.76,70.52) 258.76,65.93 261.36,63.33 261.36,57.06 262.6,55.82 U211.27 263.62,46.62 263.62,25.88 U210.27 ; v1(191.58,39.75) 191.58,39.75 191.58,14.12 192.33,13.37 CN200.a9 ; v1(182.87,39.75) U804.8 ; U204.38 264.98,162.16 264.98,155.24 264.23,154.5 262.78,154.5 261.7,153.42 261.7,108.49 263.12,107.07 263.12,70.53 v1(263.13,70.52) ; v1(201.61,39.75) 201.61,41.53 201.42,41.72 201.42,51.22 201.61,51.42 U202.67
  Bottom w0.15: U211.27 259.99,50.25 222.54,50.25 212.04,39.75 v1(201.61,39.75) v1(191.58,39.75) v1(182.87,39.75) ; RN206.8 262.54,24.78 ; U203.38 285.89,163.48 284.87,162.45 264.68,162.45 U204.38 ; v1(258.76,70.52) v1(263.13,70.52)